# Altium PCB Brake Module PCB.PcbDoc (continued)
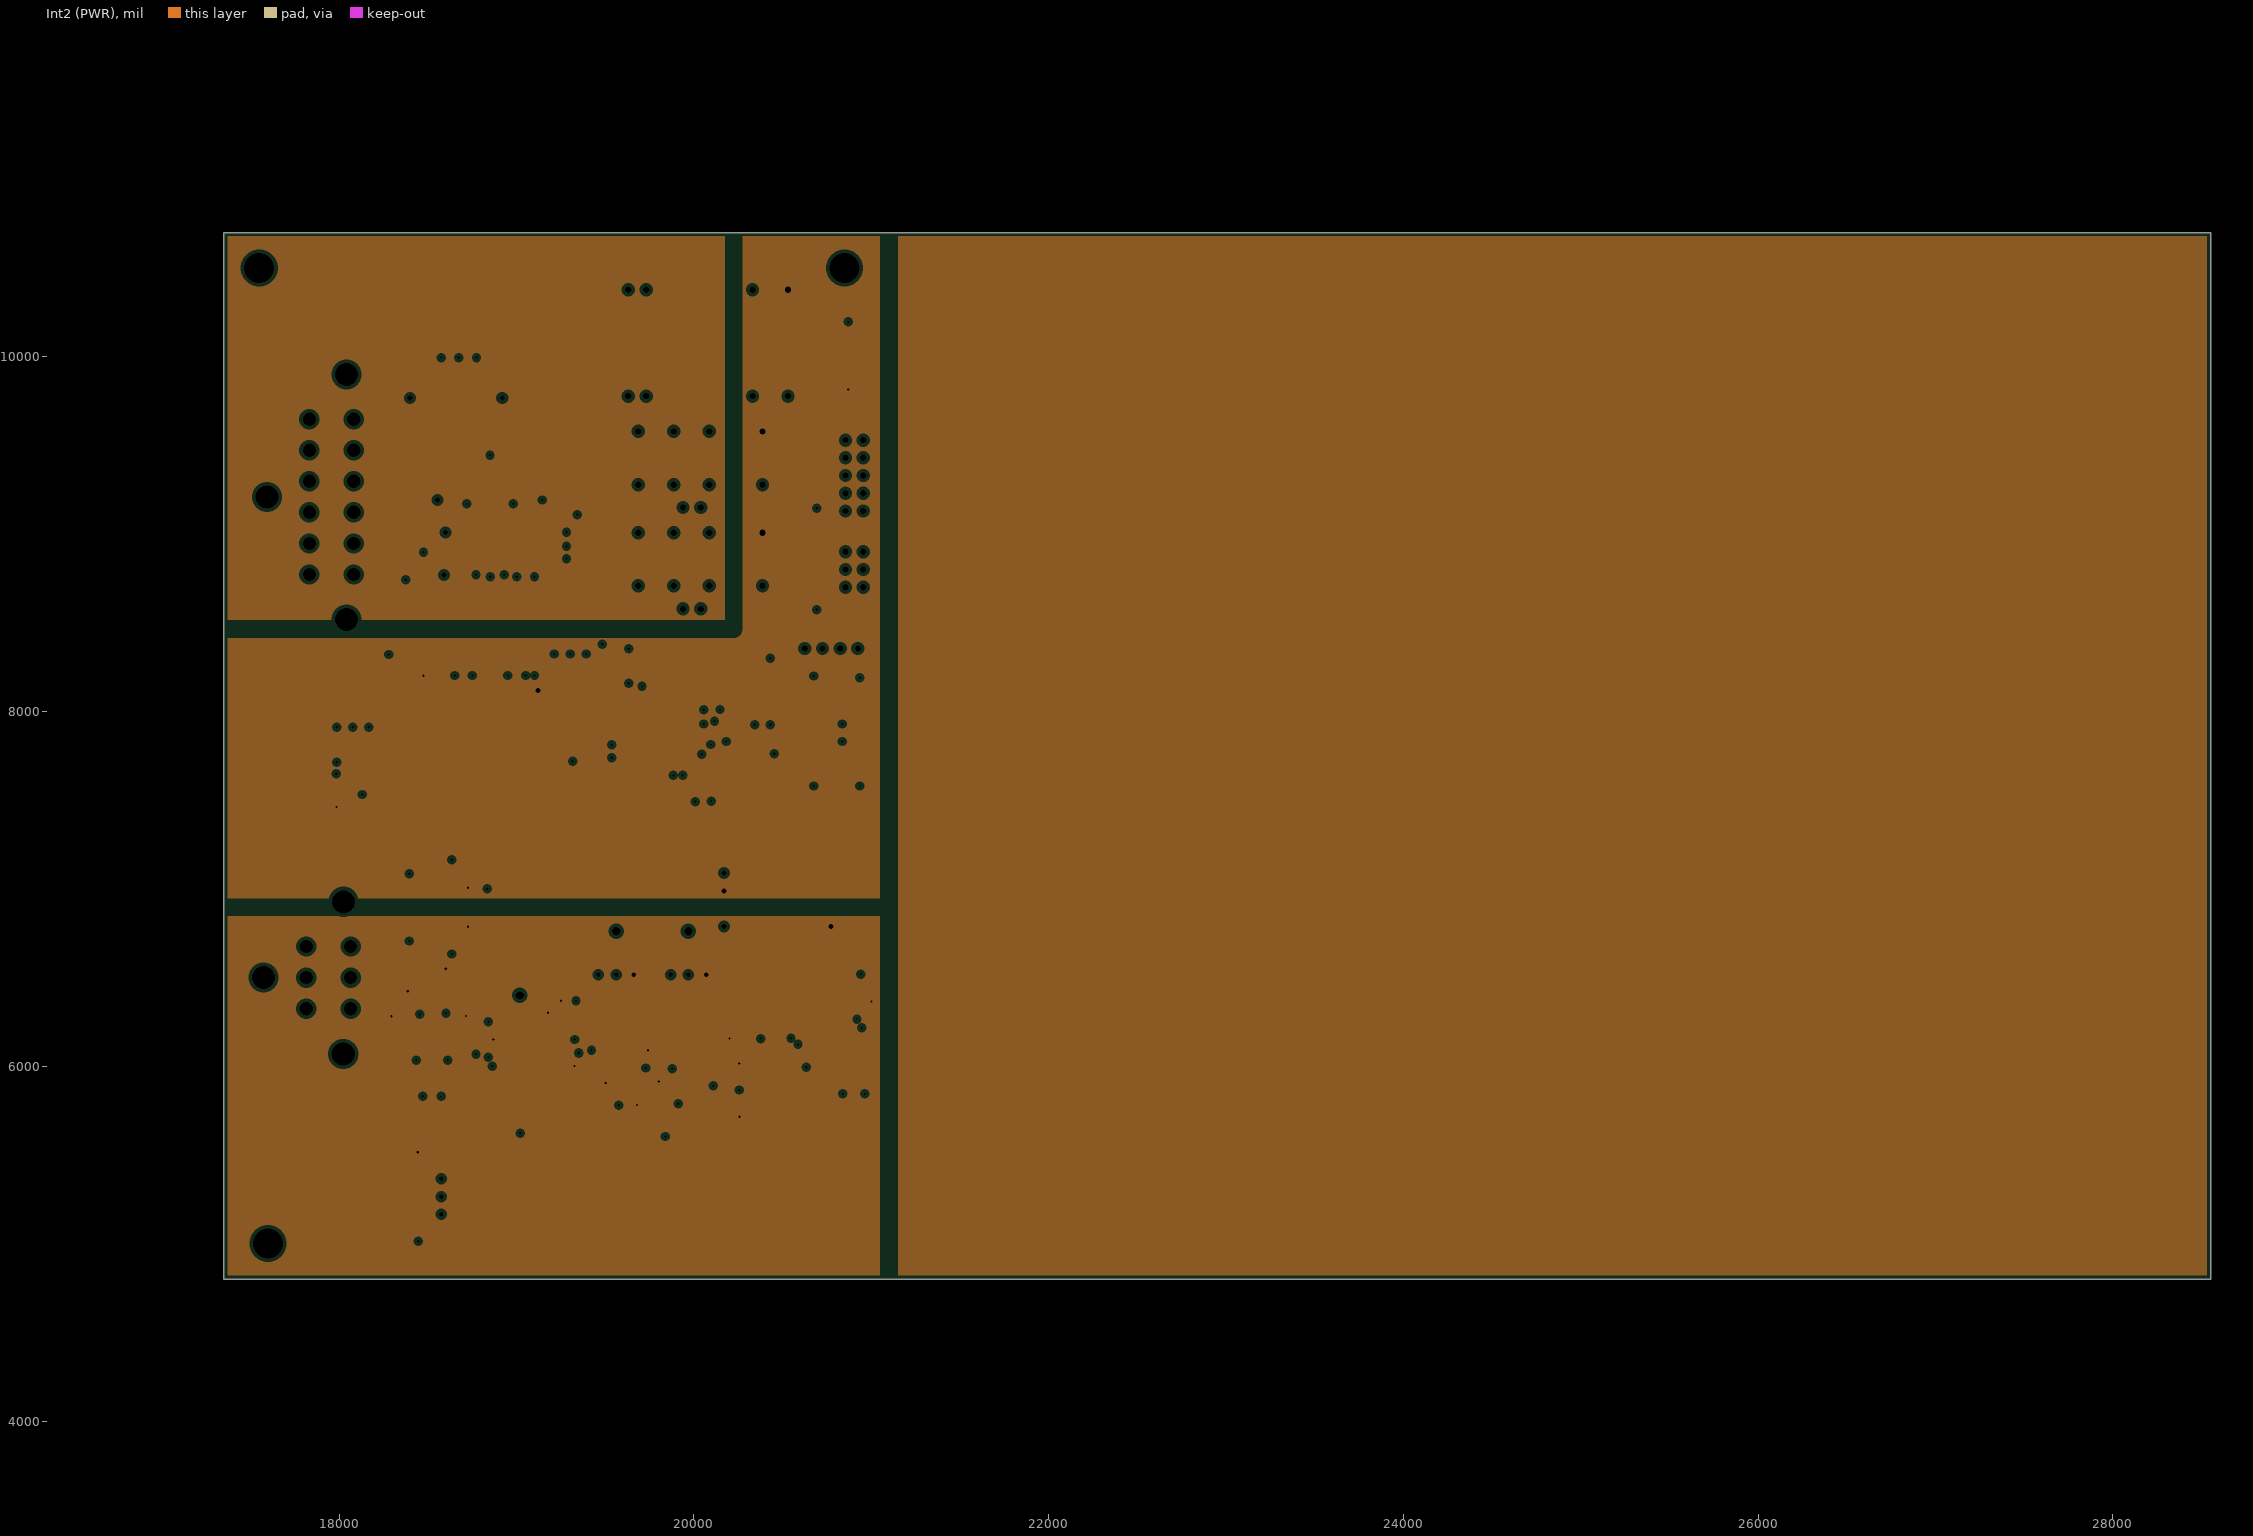
[diagram p3: Int2 (PWR), clearances drawn from the general rule]

## Layer stack, top to bottom
Top Solder: solder mask 1, SM-001, Dk 4
Top Layer: signal copper 1.378
Dielectric 1: prepreg 5.1, PP-017, Dk 4.3
Dielectric 2: prepreg 5.1, PP-017, Dk 4.3
Int1 (GND): plane copper 1.378, net (Multiple Nets)
Dielectric 3: core 28, Core-039, Dk 4.8
Int2 (PWR): plane copper 1.378, net (Multiple Nets)
Dielectric 4: prepreg 5.1, PP-017, Dk 4.3
Dielectric 5: prepreg 5.1, PP-017, Dk 4.3
Bottom Layer: signal copper 1.378
Bottom Solder: solder mask 1, SM-001, Dk 4

## Board outline
17350,4800 17350,10700 28550,10700 28550,4800

## Design rules (kind name [scope] priority, off if disabled: settings)
Clearance [All] p1: gap=10 ignorepadtopadclearanceinfootprint=FALSE except(0: Arc-Hole Track-Hole SMDPad-Hole THPad-Hole Via-Hole Fill-Hole Poly-Hole Region-Hole Text-Hole; 6: Arc-SMDPad Track-SMDPad SMDPad-SMDPad)
Height [All] p1: minheight=0 maxheight=1968.5 prefheight=500
PlaneClearance [All] p1: clearance=20
PlaneConnect [All] p1: planeconnectstyle=Relief reliefexpansion=20 reliefentries=4 reliefconductorwidth=31.5 reliefairgap=10
PolygonConnect [All] p1: connectstyle=Relief reliefconductorwidth=31.5 reliefentries=4 polygonreliefangle="90 Angle" airgapwidth=10
RoutingVias [All] p1: holewidth=28 width=50 viastyle="Through Hole" minholewidth=8 minwidth=10 maxholewidth=28 maxwidth=50
SolderMaskExpansion [All] p1: expansion=4 istentingtop=FALSE
Width [All] p1: maxlimit=118.11 minlimit=5 preferedwidth=19.68
27 further rules are at their usual default settings.

## Classes and differential pairs
component class "Top Level": * "U_Sensor Plug" "Universal Plug"
component class "U_4 Channel ADC": C30 U12
component class U_BSPD: C14 C15 C16 C17 C18 C19 C20 C21 C22 C23 D1 P1 P2 P3 P4 P5 P6 P7 P8 P9 P10 P11 R2 R3 R4 R5 R6 R7 R9 R10 R29 R88 R99 R? U4 U5 U6 U7 U8
component class U_CAN: C1 C2 C3 C4 C5 C6 C7 C8 C9 C10 C11 C12 C13 "CAN RX TP" "CAN TERM R1" "CAN TERM R2" "CAN TX TP" "CANH TP1" "CANL TP1" R1 U1 U2 U3
component class "U_Digital Isolation": C31 C32 C33 C34 R14 R15 R16 R17 "SCL ISO TP" "SCL TP" "SDA ISO TP" "SDA TP" U13 U14
component class "U_Input Filter": C48 C49 R18 R19 R20 R21 R22 R24
component class U_Microcontroller: BOOT1 C35 C36 C37 C38 C39 C40 C41 C42 C43 C44 C45 C46 C47 "CAN RX" "CAN TX" D2 D10 P12 "PCB TEMP" R27 R28 R30 R31 R32 R35 R43 R44 R45 R46 R47 R48 R49 R50 R51 SERIAL1 STLINK1 U16 U17 X1 X2
component class "U_Power Supply": "0V (M_ISO) TP" "0V (S_ISO) TP" "5V (M_ISO) TP" "5V (S_ISO) TP" C24 C25 C26 C27 C28 C29 D3 D4 D5 F1 "GLV+ TP" "GLV- TP" R25 R26 U9 U10 U11
component class "U_Safety Loops": "BPSD Bypass1" "BPSD Delay Bypass1" D6 D7 D8 D9 K1 K2 Q1 Q2 R37 R39 R40 R41 R42 U18

## Components (designator, comment, footprint, x,y, rotation, side; value= is the part's Value field where it differs from the comment)
"0V (M_ISO) TP" "0mm" "SMD Test Point" 20870.8,10283 r180 top
"0V (S_ISO) TP" "0mm" "SMD Test Point" 20274,6589 r90 top
"5V (M_ISO) TP" "0mm" "SMD Test Point" 20870.8,9728 r180 top
"5V (S_ISO) TP" "0mm" "SMD Test Point" 20674,6589 r90 top
* "DT13-6P" DT13-6P 17417.36,6226.18 r270 top
BOOT1 "2.54mm" "TH 2.54mm Header 2x3" 20955,8700 r90 top
"BPSD Bypass1" "2.54mm" "TH 2.54mm Header 1x2" 20039,8578.01 r180 top
"BPSD Delay Bypass1" "2.54mm" "TH 2.54mm Header 1x2" 20039,9150 r180 top
C1 "22pF" 0805 18852,9340 r270 top
C2 "100pF" 0805 18983.03,9069.79 r270 top
C3 "100pF" 0805 18722,9069.79 r270 top
C4 "100pF" 0805 18982,8902.44 r90 top
C5 "100pF" 0805 18722,8902.44 r90 top
C6 "100nF" 0805 19175.68,8860 r180 top
C7 "10nF" 1206 19152,9110 r180 top
C8 "10uF" 0805 19175.68,8931 r180 top
C9 "100nF" 0805 19175.68,9010 r180 top
C10 "10uF" 0805 19394.57,8200 r270 top
C11 "100nF" 0805 19304.57,8200 r270 top
C12 "10nF" 1206 19484.57,8176.32 r270 top
C13 "100nF" 0805 19214.57,8200 r270 top
C14 "10uF" 0805 18539.07,5015 r0 top
C15 "10pF" 0805 18770.97,6164.07 r90 top
C16 "10pF" 0805 19241,6149.97 r180 top
C17 "10uF" 0805 19337,6281 r270 top
C18 "100nF" 0805 19576.33,5869 r90 top
C19 "100nF" 0805 20289.93,6154.97 r180 top
C20 "100nF" 0805 20943.03,6402.93 r270 top
C21 "100nF" 0805 20839,5947 r90 top
C22 "100nF" 0805 19907.48,6388 r0 top
C23 "100nF" 0805 19499.48,6388 r0 top
C24 "22uF" 1206 18575,10192.01 r90 top
C25 "22uF" 1206 18675,10192.01 r90 top
C26 "22uF" 1206 18775,10192.01 r90 top
C27 "22uF" 1206 19360,10127.05 r90 top
C28 "22uF" 1206 20523.13,10563 r0 top
C29 "22uF" 1206 20525.18,6589 r0 top
C30 "100nF" 0805 18601,6418 r90 top
C31 "100nF" 0805 18635,6749.07 r90 top
C32 "100nF" 0805 18635.83,7042.93 r270 top
C33 "100nF" 0805 18929,6567 r90 top
C34 "100nF" 0805 18835,7120 r90 top
C35 "100nF" 0805 20341.43,8032.74 r90 top
C36 "1uF" 0805 20097.43,7601.87 r90 top
C37 "100nF" 0805 19633.38,8264.69 r270 top
C38 "100nF" 0805 19426.43,7719.87 r0 top
C39 "100nF" 0805 20006.43,7602.94 r90 top
C40 "22pF" 0805 20746.43,7689.87 r90 top
C41 "22pF" 0805 20748.5,8089.87 r270 top
C42 "22pF" 0805 20937.46,8079.87 r270 top
C43 "22pF" 0805 20935.4,7692.94 r90 top
C44 "1uF" 0805 17986.38,7555.93 r270 top
C45 "22uF" 0805 18168.83,7802 r270 top
C46 "100nF" 0805 17988,7802 r270 top
C47 "1uF" 0805 18079,7802 r270 top
C48 "100nF" 0805 18376.14,6166 r90 top
C49 "100nF" 0805 18665.97,6166 r90 top
"CAN RX" "Blue" "0805 LED" 20231.43,8186.8 r270 top
"CAN RX TP" "0mm" "SMD Test Point" 16760,11140 r90 top
"CAN TERM R1" "56R" 0805 18652,9230 r270 top
"CAN TERM R2" "56R" 0805 19052,9230 r90 top
"CAN TX" "Blue" "0805 LED" 19971.43,8186.8 r270 top
"CAN TX TP" "0mm" "SMD Test Point" 16760,10890 r90 top
"CANH TP1" "0mm" "SMD Test Point" 16760,11640 r90 top
"CANL TP1" "0mm" "SMD Test Point" 16760,11390 r90 top
D1 "Yellow" "0805 LED" 19021.16,5880 r270 top
D2 "Red" "0805 LED" 20347.43,7759.87 r180 top
D3 "SD560BTR" "SMB Diode" 18450,10345 r0 top
D4 "Red" "0805 LED" 20869.77,9920.07 r90 top
D5 "Red" "0805 LED" 20558.02,6466.5 r180 top
D6 "SD560BTR" "SMB Diode" 20571,8774.34 r90 top
D7 "Green" "0805 LED" 20720.24,8937.72 r270 top
D8 "SD560BTR" "SMB Diode" 20571,9345 r90 top
D9 "Green" "0805 LED" 20720.24,9508.39 r270 top
D10 "SD560BTR" "SMB Diode" 23185,4037 r180 top
F1 "0ZCF0200AF2C" 2920 18400,9882.6 r90 top
"GLV+ TP" "0mm" "SMD Test Point" 18585,9766.84 r180 top
"GLV- TP" "0mm" "SMD Test Point" 18775,9766.84 r90 top
K1 "V23105A5475A201" "TI 2-DIL" 20037,8858 r180 top
K2 "V23105A5475A201" "TI 2-DIL" 20037,9428.66 r180 top
P1 "0mm" "SMD Test Point" 19458,4401 r0 top
P2 "0mm" "TH Test Point" 19019.64,6399 r0 top
P3 "0mm" "SMD Test Point" 19839,5835 r0 top
P4 "0mm" "SMD Test Point" 20964,6107 r90 top
P5 "0mm" "SMD Test Point" 20165,5686 r90 top
P6 "0mm" "TH Test Point" 19092,4397 r0 top
P7 "0mm" "TH Test Point" 19969.61,6762 r270 top
P8 "0mm" "TH Test Point" 19561.61,6762 r270 top
P9 "0mm" "SMD Test Point" 19266,4401 r0 top
P10 "0mm" "TH Test Point" 18953,4397 r0 top
P11 "0mm" "SMD Test Point" 18809,4367 r0 top
P12 "USB4085-GF-A" USB4085-GF-A 23531,4023 r90 top
"PCB TEMP" "0mm" "SMD Test Point" 20331.43,8169.87 r180 top
Q1 "2N7002K" "ON SOT-23 MOSFET" 20571,8612 r0 top
Q2 "2N7002K" "ON SOT-23 MOSFET" 20571,9185 r0 top
R1 "0R" 0805 18602,8890 r270 top
R2 "10k" 0805 18538.13,5514 r180 top
R3 "1M" 0805 19250,6281.94 r90 top
R4 "10K (Var)" "B 3296" 18554,5268.39 r90 top
R5 "20k" 0805 19241,5999.97 r180 top
R6 "20k" 0805 19264,6075.8 r0 top
R7 "1.5k" 0805 19020,5711.94 r90 top
R9 "3.3k" 0805 19804,6001.13 r270 top
R10 "3.3k" 0805 19680.76,5867.09 r270 top
R14 "3.3k" 0805 18717.03,6402 r270 top
R15 "3.3k" 0805 18297,6402 r270 top
R16 "3.3k" 0805 18560.97,7351.87 r90 top
R17 "3.3k" 0805 18377.97,7351.87 r90 top
R18 "0R" 0805 18470,5923.14 r90 top
R19 "1k" 0805 18471,6166 r90 top
R20 "200R" 0805 18379.24,5997 r270 top
R21 "0R" 0805 18574,5923.14 r90 top
R22 "1k" 0805 18574,6166 r90 top
R24 "200R" 0805 18669.06,5997 r270 top
R25 "680R" 0805 20871.84,10091.55 r270 top
R26 "680R" 0805 20402.98,6468.57 r0 top
R27 "10k" 0805 20430.4,8194.87 r90 top
R28 "10K (NTC) (B25/85 3430K)" 0805 20430.4,8032.74 r90 top
R29 "10k" 0805 20962.97,5947 r90 top
R30 "510R" 0805 20189.43,7761.94 r0 top
R31 "510R" 0805 20055.4,8112.94 r90 top
R32 "510R" 0805 20146.43,8112.94 r90 top
R35 "10M" 0805 20746.43,7889.87 r90 top
R37 "680R" 0805 20718.17,8778.28 r90 top
R39 "680R" 0805 20718.17,9348.94 r90 top
R40 "100R" 0805 18374.97,8141 r90 top
R41 "10k" 0805 18280.96,8214.93 r270 top
R42 "680R" 0805 18474.97,8775.87 r90 top
R43 "5.1k" 0805 24450,4250 r0 top
R44 "5.1k" 0805 24680,4250 r0 top
R45 "10k" 0805 19825,7610 r90 top
R46 "10k" 0805 19766,8250 r90 top
R47 "1.5k" 0805 22874,3860 r90 top
R48 "20R" 0805 23140,3811 r180 top
R49 "20R" 0805 23138,3901 r180 top
R50 "5.1k" 0805 23140,3718 r180 top
R51 "5.1k" 0805 23164,4185 r180 top
R88 "10K (Var)" "B 3296" 19565,6539 r0 top
R99 "10K (Var)" "B 3296" 19973,6539 r0 top
R? "20k" 0805 19839.41,5699.13 r270 top
"SCL ISO TP" "0mm" "SMD Test Point" 18379,7207 r270 top
"SCL TP" "0mm" "SMD Test Point" 18295.97,6546 r90 top
"SDA ISO TP" "0mm" "SMD Test Point" 18562,7207 r270 top
"SDA TP" "0mm" "SMD Test Point" 18716,6546 r90 top
SERIAL1 "2.54mm" "TH 2.54mm Header 1x4" 20625,8355 r0 top
STLINK1 "2.54mm" "TH 2.54mm Header 2x5" 20955,9130 r90 top
U1 "ADM3053" "AD SOIC-W 20" 18877,8468.02 r0 top
U2 "B82787C0104H002" "TDK 4-PC Pad" 18802.79,9032.87 r90 top
U3 "NUP2105L" "ON SOT-23" 18852,8900 r180 top
U4 "NE556DR" "TI 14-SOIC" 18814.91,5551 r270 top
U5 "MC74HC595ADR2G" "ON 16-SOIC" 20437.62,5716 r180 top
U6 "SN74HC00DR" "TI 14-SOIC" 19867.91,5339 r270 top
U7 "CD74HC30M96" "TI 14-SOIC" 20550.64,5616 r270 top
U8 "LMV339IDR" "TI 14-SOIC" 19782.09,6740 r90 top
U9 "744273501" "Wurth 4-PC Pad" 19220,10199.88 r180 top
U10 "JTC0424S05" "24-DIP Module, 7 Leads" 20081,10077.83 r0 top
U11 "R2S-0505/HP" "RECOM 8-SMD (5 Pin)" 20474,6939 r270 top
U12 "ADS1115" "TI 10-VSSOP" 18488,6455 r90 top
U13 "ISO1540DR" "TI 8-SOIC" 18446,6625 r270 top
U14 "SI8660AB-B-IS1" "AD 16-SOIC" 19155,6900 r0 top
U16 "STM32F103C8T6" "STM 48-LQFP" 19796.43,7899.87 r90 top
U17 "RT9193-33GB" "RICHTEK SOT-23-5" 18132.37,7623.37 r0 top
U18 "LTV-817S-TA1" "ON 4-SMD" 18426,8442.32 r270 top
"Universal Plug" "DT13-12P" DT13-12P 17833,9648 r270 top
X1 "8MHz" "Abracon HC-49/US" 20602.43,7888.92 r90 top
X2 "32.768kHz" "EPSON 2-SMD" 20936.43,7879.87 r270 top

## Footprints (in the part's own frame and the unit in brackets; to place one, negate y for a bottom-side part, rotate by r counter-clockwise, add the part's x,y. Pads: shape width x height; smd on the part's side, far side on the other; paste and mask are expansions set on the pad)
"24-DIP Module, 7 Leads" [mm]
  round 1.5 hole 0.9: 2(-11.43,-7.62) 3(-8.89,-7.62) 9(6.35,-7.62) 11(11.43,-7.62) 14(11.43,7.62) 16(6.35,7.62) 22(-8.89,7.62) 23(-11.43,7.62)
  silkscreen extent -15.88,-10.16 15.88,10.16, body extent -15.87,-10.16 15.87,10.16, height 10.41
0805 [mil]
  rrect50% 51.18x59.06 smd: 1(-37.87,-1.03) 2(36.93,-1.03)
  silkscreen extent -73,-37 71,37, body extent -39,-26 39,26, height 29
"0805 LED" [mil]
  rrect50% 51.18x59.06 smd: A(-37.87,-1.03) K(36.93,-1.03)
  silkscreen extent -73,-37 71,37, body extent -43,-25 35,25, height 39
1206 [mm]
  rrect50% 1.8x1.4 smd: 1(-2.6,0) 2(0.2,0)
  silkscreen extent -3.7,-0.9 1.2,0.9, body extent -2.9,-0.9 0.5,0.9, height 1.85
2920 [mm]
  rrect50% 2.3x5.6 smd: 1(0,0) 2(7.3,0)
  silkscreen extent -1.4,-3 9,3, body extent -0.34,-2.81 7.64,2.81, height 1.14
"Abracon HC-49/US" [mm]
  rrect50% 5.6x2.1 smd: 1(-4.75,0) 2(4.75,0)
  silkscreen extent -5.85,-2.35 5.85,2.35, body extent -6.35,-2.35 6.35,2.35, height 4.06
"AD 16-SOIC" [mil]
  rrect50% 28x85 smd: 1(-225,-192.02)
  oval 28x85 smd: 2(-175,-192.02) 3(-125,-192.02) 4(-75,-192.02) 5(-25,-192.02) 6(25,-192.02) 7(75,-192.02) 8(125,-192.02) 9(125,190) 10(75,189.96) 11(25,189.96) 12(-25,189.96) 13(-75,189.96) 14(-125,189.96) 15(-175,191.98) 16(-225,191.98)
  silkscreen extent -257,-138 155,138, body extent -256,-209 156,209, height 104
"AD SOIC-W 20" [mil]
  rrect50% 28x85 smd: 1(-225,-192.02)
  oval 28x85 smd: 2(-175,-192.02) 3(-125,-192.02) 4(-75,-192.02) 5(-25,-192.02) 6(25,-192.02) 7(75,-192.02) 8(125,-192.02) 9(175,-192.02) 10(225,-192.02) 11(225,192.02) 12(175,191.98) 13(125,191.98) 14(75,191.98) 15(25,191.98) 16(-25,191.98) 17(-75,191.98) 18(-125,191.98) 19(-175,191.98) 20(-225,191.98)
  silkscreen extent -257,-138 256,138, body extent -260,-210 260,210, height 105
"B 3296" [mil]
  round 80 hole 25.2: 1(-103.39,-22) 2(-3.39,-22) 3(96.61,-22)
  silkscreen extent -193,-97 187,143, body extent -191,-97 184,143, height 455
DT13-6P [mm]
  round 3 hole 3.3 unplated: 0(-17.805,15.43) 0(-6.95,4) 0(4,15.4)
  rect 3x3 hole 1.9: 1(-11.4,16.45)
  round 3 hole 1.9: 2(-6.95,16.45) 3(-2.5,16.45) 4(-2.5,10.1) 5(-6.95,10.1) 6(-11.4,10.1)
  silkscreen extent -16.9,-0.1 2.7,6.1, body extent -29.9,-19.9 12.9,19.6, height 35.63
DT13-12P [mm]
  round 3 hole 3.3 unplated: 0(-6.405,5.33) 0(11.135,-6.1) 0(28.675,5.33)
  rect 3x3 hole 1.9: 1(0,6.35)
  round 3 hole 1.9: 2(4.45,6.35) 3(8.9,6.35) 4(13.35,6.35) 5(17.8,6.35) 6(22.25,6.35) 7(22.25,0) 8(17.8,0) 9(13.35,0) 10(8.9,0) 11(4.45,0) 12(0,0)
  silkscreen extent -4.45,-12 26.7,-6, body extent -18.6,-34.7 40.6,9.5, height 37.63
"EPSON 2-SMD" [mm]
  rrect50% 1x1.8 smd: 1(-1.25,0) 2(1.25,0)
  silkscreen extent -2,-1.2 2,1.2, body extent -1.5,-1 1.5,1, height 1
"ON 4-SMD" [mm] "SOP, 4-Leads, Body 3.85x4.4mm, Pitch 2.54mm, IPC Medium Density"
  oval 2x1.2 smd: 1(-4.75,1.27) 2(-4.75,-1.27) 3(4.25,-1.27) 4(4.25,1.27)
  silkscreen extent -3,-2.25 2.5,2.25, body extent -5.33,-2.3 4.83,2.3, height 4.6
"ON 16-SOIC" [mm]
  rrect50% 1.6x0.58 smd: 1(-2.89,0) 2(-2.89,-1.27) 3(-2.89,-2.54) 4(-2.89,-3.81) 5(-2.89,-5.08) 6(-2.89,-6.35) 7(-2.89,-7.62) 8(-2.89,-8.89) 9(3.14,-8.89) 10(3.14,-7.62) 11(3.14,-6.35) 12(3.14,-5.08) 13(3.14,-3.81) 14(3.14,-2.54) 15(3.14,-1.27) 16(3.14,0)
  silkscreen extent -1.75,-9.5 2,0.75, body extent -3.09,-9.4 3.14,0.6, height 1.75
"ON SOT-23" [mm] "NUP2105L"
  rrect50% 0.8x0.9 smd: 1(-0.95,-1) 2(0.95,-1) 3(0,1)
  silkscreen extent -1.75,-0.65 1.75,0.75, body extent -1.5,-1.27 1.5,1.28, height 1
"ON SOT-23 MOSFET" [mm] "NUP2105L"
  rrect50% 0.8x0.9 smd: D(0,1) G(-0.95,-1) S(0.95,-1)
  silkscreen extent -1.75,-0.65 1.75,0.75, body extent -1.5,-1.27 1.5,1.28, height 1
"RECOM 8-SMD (5 Pin)" [mm]
  rrect50% 1.2x2.4 smd: 1(-3.81,-5.4) 2(-1.27,-5.4) 4(3.81,-5.4) 5(3.81,5.5) 8(-3.81,5.5)
  silkscreen extent -6.5,-4 6.5,4, body extent -6.37,-5.55 6.38,5.55, height 9.2
"RICHTEK SOT-23-5" [mil]
  rrect50% 19x58 smd: 1(-39.37,-39.37) 2(-1.97,-39.37) 3(35.43,-39.37) 4(35.43,53.63) 5(-39.37,53.63)
  silkscreen extent -69,-31 64,46, body extent -62,-51 58,67, height 57
"SMB Diode" [mm]
  rrect50% 2.5x2.5 smd: A(-0.25,0) K(4.45,0)
  silkscreen extent -1.75,-2.1 6,2.1, body extent -0.69,-1.97 4.9,1.97, height 2.5
"SMD Test Point" [mm]
  round 1.8 smd: 1(0,0)
  silkscreen extent -1.27,-1.27 1.27,1.27
"STM 48-LQFP" [mm]
  rrect50% 0.3x1.2 smd: 1(-2.75,-4.25) 2(-2.25,-4.25) 3(-1.75,-4.25) 4(-1.25,-4.25) 5(-0.75,-4.25) 6(-0.25,-4.25) 7(0.25,-4.25) 8(0.75,-4.25) 9(1.25,-4.25) 10(1.75,-4.25) 11(2.25,-4.25) 12(2.75,-4.25) 25(2.75,4.25) 26(2.25,4.25) 27(1.75,4.25) 28(1.25,4.25) 29(0.75,4.25) 30(0.25,4.25) 31(-0.25,4.25) 32(-0.75,4.25) 33(-1.25,4.25) 34(-1.75,4.25) 35(-2.25,4.25) 36(-2.75,4.25)
  rrect50% 1.2x0.3 smd: 13(4.25,-2.75) 14(4.25,-2.25) 15(4.25,-1.75) 16(4.25,-1.25) 17(4.25,-0.75) 18(4.25,-0.25) 19(4.25,0.25) 20(4.25,0.75) 21(4.25,1.25) 22(4.25,1.75) 23(4.25,2.25) 24(4.25,2.75) 37(-4.25,2.75) 38(-4.25,2.25) 39(-4.25,1.75) 40(-4.25,1.25) 41(-4.25,0.75) 42(-4.25,0.25) 43(-4.25,-0.25) 44(-4.25,-0.75) 45(-4.25,-1.25) 46(-4.25,-1.75) 47(-4.25,-2.25) 48(-4.25,-2.75)
  silkscreen extent -3.5,-3.5 3.5,3.5, body extent -4.6,-4.6 4.6,4.6, height 1.6
"TDK 4-PC Pad" [mm]
  rrect50% 1.35x0.9 smd: 1(0,0) 2(0,-2.5) 3(4.55,-2.5) 4(4.55,0)
  silkscreen extent -1,-3.2 5.5,0.7, body extent -0.02,-2.82 4.48,0.38, height 2.8
"TH 2.54mm Header 1x2" [mm]
  rect 1.5x1.5 hole 0.9: 1(0,0)
  round 1.5 hole 0.9: 2(2.54,0)
  silkscreen extent -1.27,-1.27 3.81,1.27
"TH 2.54mm Header 1x4" [mm]
  rect 1.5x1.5 hole 0.9: 1(0,0)
  round 1.5 hole 0.9: 2(2.54,0) 3(5.08,0) 4(7.62,0)
  silkscreen extent -1.27,-1.27 8.89,1.27
"TH 2.54mm Header 2x3" [mm]
  rect 1.5x1.5 hole 0.9: 1(0,0)
  round 1.5 hole 0.9: 2(0,2.54) 3(2.54,0) 4(2.54,2.54) 5(5.08,0) 6(5.08,2.54)
  silkscreen extent -1.27,-1.27 6.35,3.81
"TH 2.54mm Header 2x5" [mm]
  rect 1.5x1.5 hole 0.9: 1(0,0)
  round 1.5 hole 0.9: 2(0,2.54) 3(2.54,0) 4(2.54,2.54) 5(5.08,0) 6(5.08,2.54) 7(7.62,0) 8(7.62,2.54) 9(10.16,0) 10(10.16,2.54)
  silkscreen extent -1.27,-1.27 11.43,3.81
"TH Test Point" [mm]
  round 1.8 hole 1.2: 1(0,0)
  silkscreen extent -1.27,-1.27 1.27,1.27
"TI 2-DIL" [mil]
  round 80 hole 35.43: 1(-350,-150) 4(-50,-150) 6(150,-150) 8(350,-150) 9(350,150) 11(150,150) 13(-50,150) 16(-350,150)
  silkscreen extent -400,-200 400,200, body extent -398,-197 398,197, height 450
"TI 8-SOIC" [mm]
  oval 1.2x0.6 smd: 1(-9.677,2.54) 2(-9.677,1.27) 3(-9.677,0) 4(-9.677,-1.27) 5(-4.089,-1.27) 6(-4.089,0) 7(-4.089,1.27) 8(-4.089,2.54)
  silkscreen extent -9,-1.78 -4.75,3.17, body extent -9.96,-1.87 -3.76,3.14, height 1.76
"TI 10-VSSOP" [mm]
  rrect50% 1.45x0.3 smd: 1(-2.2,1) 2(-2.2,0.5) 3(-2.2,0) 4(-2.2,-0.5) 5(-2.2,-1) 6(2.2,-1) 7(2.2,-0.5) 8(2.2,0) 9(2.2,0.5) 10(2.2,1)
  silkscreen extent -1.25,-1.5 1.25,1.5, body extent -2.45,-1.5 2.45,1.5, height 1.12
"TI 14-SOIC" [mil]
  oval 22x52 smd: 1(-750,102.36) 2(-700,102.36) 3(-650,102.36) 4(-600,102.36) 5(-550,102.36) 6(-500,102.36) 7(-450,102.36) 8(-450,307.09) 9(-500,307.09) 10(-550,307.09) 11(-600,307.09) 12(-650,307.09) 13(-700,307.09) 14(-750,307.09)
  silkscreen extent -780,130 -420,280, body extent -770,86 -430,323, height 69
USB4085-GF-A [mm]
  round 0.65 hole 0.4: A1(-2.848,4.025) A4(-1.998,4.025) A5(-1.148,4.025) A6(-0.298,4.025) A7(0.552,4.025) A8(1.402,4.025) A9(2.252,4.025) A12(3.102,4.025) B1(3.102,2.675) B4(2.252,2.675) B5(1.402,2.675) B6(0.552,2.675) B7(-0.298,2.675) B8(-1.148,2.675) B9(-1.998,2.675) B12(-2.848,2.675)
  oval 0.9x2.4 hole 0.6 slot 2.1 at 90 deg: P1(-4.198,3.045) P2(4.452,3.045)
  oval 0.9x1.7 hole 0.6 slot 1.4 at 90 deg: P3(4.452,-0.335) P4(-4.198,-0.335)
  silkscreen extent -4.35,-2.07 4.6,4.58, body extent -4.39,-4.56 4.64,4.61, height 3.46
"Wurth 4-PC Pad" [mm]
  rrect50% 2.7x2.7 smd: 1(7.62,6.22) 2(0,6.22) 3(0,0) 4(7.62,0)
  silkscreen extent -1.7,-1.8 9.4,8, body extent -1.19,-1.24 8.81,7.46, height 6.2
